# KiCad board kimotor-project.kicad_pcb (continued)
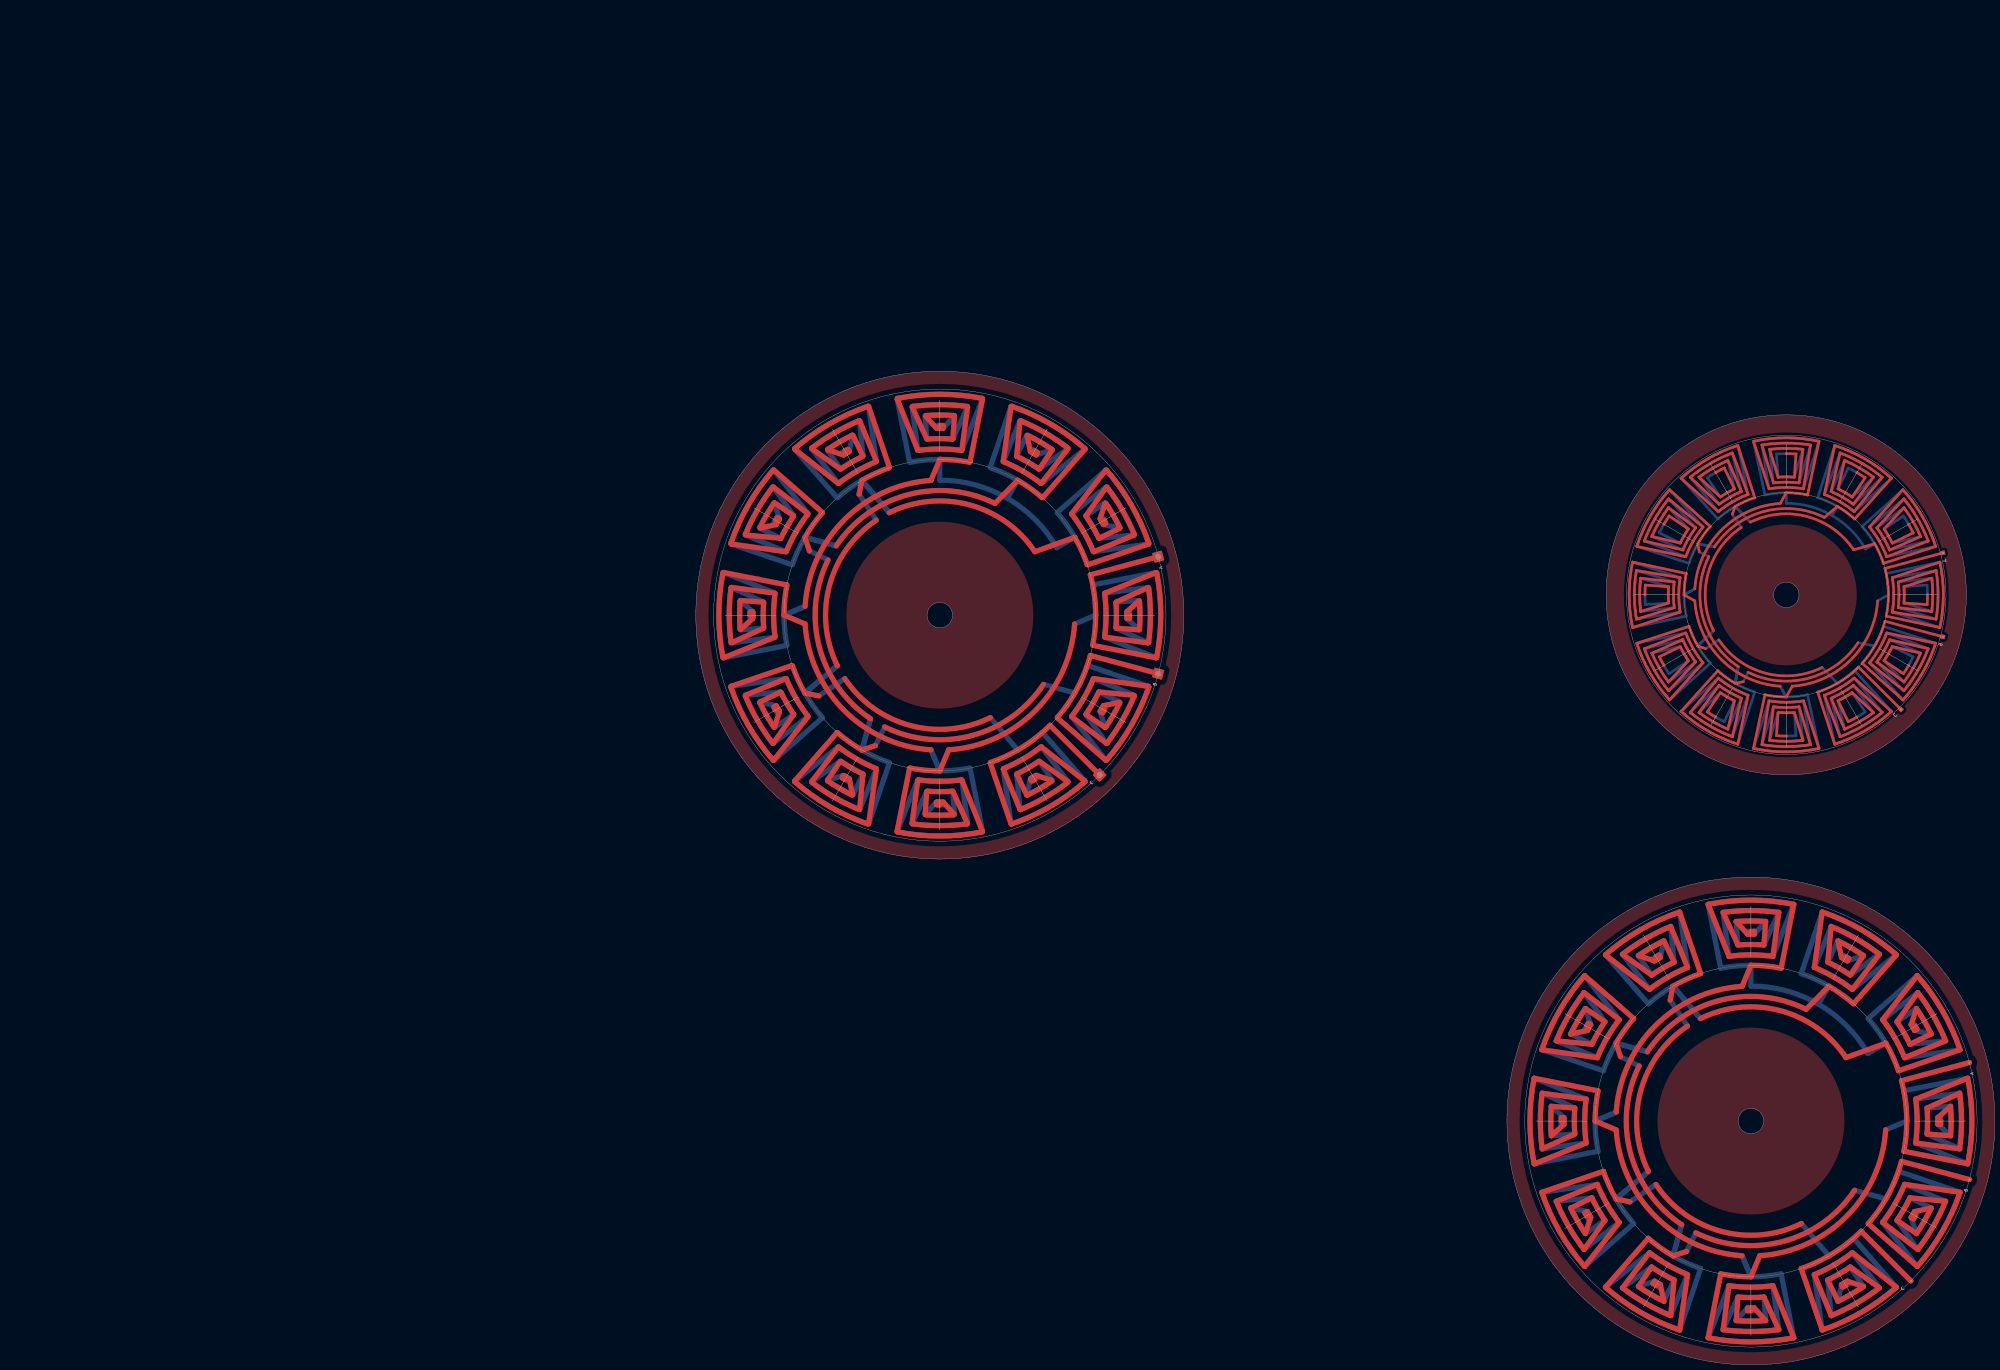
[diagram p0: board, top side]
## Routing (per net, layer and track width the routed paths; a pad name or vN(x,y) marks a point on that pad's centre or on a via; arc(x,y) is an arc through that point) (continued)
-196.61,386.36 ; -192.23,406.9 -196.72,385.87 ; -192.23,406.9 -196.72,385.87 ; -192.23,406.9 -196.72,385.87 ; -192.23,406.9 -196.72,385.87 ; -192.23,406.9 arc(-189.11,406.36) -183.89,406.02 ; -192.23,406.9 arc(-189.11,406.36) -183.89,406.02 ; -192.23,406.9 arc(-189.11,406.36) -183.89,406.02 ; -192.23,406.9 arc(-189.11,406.36) -183.89,406.02 ; -192.23,406.9 arc(-189.11,406.36) -183.89,406.02 ; -192.23,406.9 arc(-189.11,406.36) -183.89,406.02 ; -192.23,406.9 arc(-189.11,406.36) -183.89,406.02 ; -192.23,406.9 arc(-189.11,406.36) -183.89,406.02 ; -192.23,406.9 arc(-189.11,406.36) -183.89,406.02 ; -192.23,406.9 arc(-189.11,406.36) -183.89,406.02 ; -192.23,406.9 arc(-189.11,406.36) -183.89,406.02 ; -192.23,406.9 arc(-189.11,406.36) -183.89,406.02 ; -244.04,433.2 -225.42,439.28 ; -244.04,433.2 -225.42,439.28 ; -244.04,433.2 -225.42,439.28 ; -244.04,433.2 -225.42,439.28 ; -244.04,433.2 -225.42,439.28 ; -244.04,433.2 -225.42,439.28 ; -244.04,433.2 -225.42,439.28 ; -244.04,433.2 -225.42,439.28 ; -244.04,433.2 -225.42,439.28 ; -244.04,433.2 arc(-245.39,446.02) -244.04,458.85 ; -244.04,433.2 arc(-245.39,446.02) -244.04,458.85 ; -244.04,433.2 arc(-245.39,446.02) -244.04,458.85 ; -244.04,433.2 arc(-245.39,446.02) -244.04,458.85 ; -244.04,433.2 arc(-245.39,446.02) -244.04,458.85 ; -244.04,433.2 arc(-245.39,446.02) -244.04,458.85 ; -244.04,433.2 arc(-245.39,446.02) -244.04,458.85 ; -244.04,433.2 arc(-245.39,446.02) -244.04,458.85 ; -244.04,433.2 arc(-245.39,446.02) -244.04,458.85 ; -225.42,439.28 -243.55,433.3 ; -225.42,439.28 -243.55,433.3 ; -225.42,439.28 -243.55,433.3 ; -225.42,439.28 arc(-225.96,446.02) -225.42,452.76 ; -225.42,439.28 arc(-225.96,446.02) -225.42,452.76 ; -225.42,439.28 arc(-225.96,446.02) -225.42,452.76 ; -225.42,439.28 arc(-225.96,446.02) -225.42,452.76 ; -225.42,439.28 arc(-225.96,446.02) -225.42,452.76 ; -225.42,439.28 arc(-225.96,446.02) -225.42,452.76 ; -225.42,439.28 arc(-225.96,446.02) -225.42,452.76 ; -225.42,439.28 arc(-225.96,446.02) -225.42,452.76 ; -225.42,439.28 arc(-225.96,446.02) -225.42,452.76 ; -225.42,439.28 arc(-225.96,446.02) -225.42,452.76 ; -225.42,439.28 arc(-225.96,446.02) -225.42,452.76 ; -225.42,439.28 arc(-225.96,446.02) -225.42,452.76 ; -163.61,404.51 -159.62,396.34 ; -163.61,404.51 -159.62,396.34 ; -163.61,404.51 -159.62,396.34 ; -163.61,404.51 -159.62,396.34 ; -163.61,404.51 -159.62,396.34 ; -163.61,404.51 -159.84,396.78 ; -163.61,404.51 -159.84,396.78 ; -163.61,404.51 -159.84,396.78 ; -163.61,404.51 -159.62,396.34 ; -163.61,404.51 -159.62,396.34 ; -163.61,404.51 -159.62,396.34 ; -163.61,404.51 -159.62,396.34 ; -159.62,396.34 arc(-162.73,394.93) -156.24,398.13 ; -159.62,396.34 arc(-162.73,394.93) -156.24,398.13 ; -159.62,396.34 arc(-162.73,394.93) -156.24,398.13 ; -159.62,396.34 arc(-162.73,394.93) -156.24,398.13 ; -159.62,396.34 arc(-162.73,394.93) -156.24,398.13 ; -159.62,396.34 arc(-162.73,394.93) -156.24,398.13 ; -159.62,396.34 arc(-162.73,394.93) -156.24,398.13 ; -159.62,396.34 arc(-162.73,394.93) -156.24,398.13 ; -159.62,396.34 arc(-162.73,394.93) -156.24,398.13 ; -166.31,405.54 -161.05,393.4 ; -166.31,405.54 -161.05,393.4 ; -166.31,405.54 -161.05,393.4 ; -166.31,405.54 -161.05,393.4 ; -166.31,405.54 -161.25,393.86 ; -166.31,405.54 -161.05,393.4 ; -166.31,405.54 -161.25,393.86 ; -166.31,405.54 -161.05,393.4 ; -166.31,405.54 -161.05,393.4 ; -166.31,405.54 -161.05,393.4 ; -166.31,405.54 -161.25,393.86 ; -166.31,405.54 -161.05,393.4 ; -166.31,405.54 arc(-161.82,407.8) -157.62,410.56 ; -166.31,405.54 arc(-161.82,407.8) -157.62,410.56 ; -166.31,405.54 arc(-161.82,407.8) -157.62,410.56 ; -166.31,405.54 arc(-161.82,407.8) -157.62,410.56 ; -166.31,405.54 arc(-161.82,407.8) -157.62,410.56 ; -166.31,405.54 arc(-161.82,407.8) -157.62,410.56 ; -166.31,405.54 arc(-161.82,407.8) -157.62,410.56 ; -166.31,405.54 arc(-161.82,407.8) -157.62,410.56 ; -166.31,405.54 arc(-161.82,407.8) -157.62,410.56 ; -166.31,405.54 arc(-161.82,407.8) -157.62,410.56 ; -166.31,405.54 arc(-161.82,407.8) -157.62,410.56 ; -166.31,405.54 arc(-161.82,407.8) -157.62,410.56 ; -222.21,471.84 -229.34,476.64 ; -222.21,471.84 -229.75,476.92 ; -222.21,471.84 -229.34,476.64 ; -222.21,471.84 -229.75,476.92 ; -222.21,471.84 -229.75,476.92 ; -222.21,471.84 -229.75,476.92 ; -222.21,471.84 -229.75,476.92 ; -222.21,471.84 -229.75,476.92 ; -222.21,471.84 -229.75,476.92 ; -222.21,471.84 -229.34,476.64 ; -222.21,471.84 -229.75,476.92 ; -222.21,471.84 -229.75,476.92 ; -222.21,471.84 arc(-223.9,469.12) -225.41,466.3 ; -222.21,471.84 arc(-223.9,469.12) -225.41,466.3 ; -222.21,471.84 arc(-223.9,469.12) -225.41,466.3 ; -222.21,471.84 arc(-223.9,469.12) -225.41,466.3 ; -222.21,471.84 arc(-223.9,469.12) -225.41,466.3 ; -222.21,471.84 arc(-223.9,469.12) -225.41,466.3 ; -222.21,471.84 arc(-223.9,469.12) -225.41,466.3 ; -222.21,471.84 arc(-223.9,469.12) -225.41,466.3 ; -222.21,471.84 arc(-223.9,469.12) -225.41,466.3 ; -222.21,471.84 arc(-223.9,469.12) -225.41,466.3 ; -222.21,471.84 arc(-223.9,469.12) -225.41,466.3 ; -222.21,471.84 arc(-223.9,469.12) -225.41,466.3 ; -229.34,476.64 arc(-227.36,479.38) -231.35,473.42 ; -229.34,476.64 arc(-227.36,479.38) -231.35,473.42 ; -229.34,476.64 arc(-227.36,479.38) -231.35,473.42 ; -213.6,472.81 -229.57,487.2 ; -213.6,472.81 -229.57,487.2 ; -213.6,472.81 -229.57,487.2 ; -213.6,472.81 -229.57,487.2 ; -213.6,472.81 -229.57,487.2 ; -213.6,472.81 -229.2,486.87 ; -213.6,472.81 -229.57,487.2 ; -213.6,472.81 -229.2,486.87 ; -213.6,472.81 -229.57,487.2 ; -213.6,472.81 -229.57,487.2 ; -213.6,472.81 -229.2,486.87 ; -213.6,472.81 -229.57,487.2 ; -213.6,472.81 arc(-215.62,470.37) -218.53,466.02 ; -213.6,472.81 arc(-215.62,470.37) -218.53,466.02 ; -213.6,472.81 arc(-215.62,470.37) -218.53,466.02 ; -213.6,472.81 arc(-215.62,470.37) -218.53,466.02 ; -213.6,472.81 arc(-215.62,470.37) -218.53,466.02 ; -213.6,472.81 arc(-215.62,470.37) -218.53,466.02 ; -213.6,472.81 arc(-215.62,470.37) -218.53,466.02 ; -213.6,472.81 arc(-215.62,470.37) -218.53,466.02 ; -213.6,472.81 arc(-215.62,470.37) -218.53,466.02 ; -213.6,472.81 arc(-215.62,470.37) -218.53,466.02 ; -213.6,472.81 arc(-215.62,470.37) -218.53,466.02 ; -213.6,472.81 arc(-215.62,470.37) -218.53,466.02 ; -168.96,406.69 -162.8,390.46 ; -168.96,406.69 -162.8,390.46 ; -168.96,406.69 -162.98,390.92 ; -168.96,406.69 -162.8,390.46 ; -168.96,406.69 -162.8,390.46 ; -168.96,406.69 -162.8,390.46 ; -168.96,406.69 -162.8,390.46 ; -168.96,406.69 -162.98,390.92 ; -168.96,406.69 -162.8,390.46 ; -168.96,406.69 -162.8,390.46 ; -168.96,406.69 -162.98,390.92 ; -168.96,406.69 -162.8,390.46 ; -168.96,406.69 arc(-162.86,409.59) -157.29,413.43 ; -168.96,406.69 arc(-162.86,409.59) -157.29,413.43 ; -168.96,406.69 arc(-162.86,409.59) -157.29,413.43 ; -168.96,406.69 arc(-162.86,409.59) -157.29,413.43 ; -168.96,406.69 arc(-162.86,409.59) -157.29,413.43 ; -168.96,406.69 arc(-162.86,409.59) -157.29,413.43 ; -168.96,406.69 arc(-162.86,409.59) -157.29,413.43 ; -168.96,406.69 arc(-162.86,409.59) -157.29,413.43 ; -168.96,406.69 arc(-162.86,409.59) -157.29,413.43 ; -168.96,406.69 arc(-162.86,409.59) -157.29,413.43 ; -168.96,406.69 arc(-162.86,409.59) -157.29,413.43 ; -168.96,406.69 arc(-162.86,409.59) -157.29,413.43 ; -162.8,390.46 arc(-154.17,394.55) -146.31,399.98 ; -162.8,390.46 arc(-154.17,394.55) -146.31,399.98 ; -162.8,390.46 arc(-154.17,394.55) -146.31,399.98 ; -162.8,390.46 arc(-154.17,394.55) -146.31,399.98 ; -162.8,390.46 arc(-154.17,394.55) -146.31,399.98 ; -162.8,390.46 arc(-154.17,394.55) -146.31,399.98 ; -162.8,390.46 arc(-154.17,394.55) -146.31,399.98 ; -162.8,390.46 arc(-154.17,394.55) -146.31,399.98 ; -162.8,390.46 arc(-154.17,394.55) -146.31,399.98 ; -210.49,413.43 -221.47,399.98 ; -210.49,413.43 -221.47,399.98 ; -210.49,413.43 -221.47,399.98 ; -210.49,413.43 -221.47,399.98 ; -210.49,413.43 -221.15,400.36 ; -210.49,413.43 -221.15,400.36 ; -210.49,413.43 -221.15,400.36 ; -210.49,413.43 -221.47,399.98 ; -210.49,413.43 -221.47,399.98 ; -210.49,413.43 -221.47,399.98 ; -210.49,413.43 -221.47,399.98 ; -210.49,413.43 -221.47,399.98 ; -210.49,413.43 arc(-204.92,409.59) -198.82,406.69 ; -210.49,413.43 arc(-204.92,409.59) -198.82,406.69 ; -210.49,413.43 arc(-204.92,409.59) -198.82,406.69 ; -210.49,413.43 arc(-204.92,409.59) -198.82,406.69 ; -210.49,413.43 arc(-204.92,409.59) -198.82,406.69 ; -210.49,413.43 arc(-204.92,409.59) -198.82,406.69 ; -210.49,413.43 arc(-204.92,409.59) -198.82,406.69 ; -210.49,413.43 arc(-204.92,409.59) -198.82,406.69 ; -210.49,413.43 arc(-204.92,409.59) -198.82,406.69 ; -210.49,413.43 arc(-204.92,409.59) -198.82,406.69 ; -210.49,413.43 arc(-204.92,409.59) -198.82,406.69 ; -210.49,413.43 arc(-204.92,409.59) -198.82,406.69 ; -221.47,399.98 arc(-213.61,394.55) -204.98,390.46 ; -221.47,399.98 arc(-213.61,394.55) -204.98,390.46 ; -221.47,399.98 arc(-213.61,394.55) -204.98,390.46 ; -221.47,399.98 arc(-213.61,394.55) -204.98,390.46 ; -221.47,399.98 arc(-213.61,394.55) -204.98,390.46 ; -221.47,399.98 arc(-213.61,394.55) -204.98,390.46 ; -221.47,399.98 arc(-213.61,394.55) -204.98,390.46 ; -221.47,399.98 arc(-213.61,394.55) -204.98,390.46 ; -221.47,399.98 arc(-213.61,394.55) -204.98,390.46 ; -196.23,484.07 -202.7,504.05 ; -196.23,484.07 -202.86,504.52 ; -196.23,484.07 -202.86,504.52 ; -196.23,484.07 -202.86,504.52 ; -196.23,484.07 -202.86,504.52 ; -196.23,484.07 -202.86,504.52 ; -196.23,484.07 -202.7,504.05 ; -196.23,484.07 -202.86,504.52 ; -196.23,484.07 -202.7,504.05 ; -196.23,484.07 -202.86,504.52 ; -196.23,484.07 -202.86,504.52 ; -196.23,484.07 -202.86,504.52 ; -196.23,484.07 arc(-199.2,482.98) -203.89,480.66 ; -196.23,484.07 arc(-199.2,482.98) -203.89,480.66 ; -196.23,484.07 arc(-199.2,482.98) -203.89,480.66 ; -196.23,484.07 arc(-199.2,482.98) -203.89,480.66 ; -196.23,484.07 arc(-199.2,482.98) -203.89,480.66 ; -196.23,484.07 arc(-199.2,482.98) -203.89,480.66 ; -196.23,484.07 arc(-199.2,482.98) -203.89,480.66 ; -196.23,484.07 arc(-199.2,482.98) -203.89,480.66 ; -196.23,484.07 arc(-199.2,482.98) -203.89,480.66 ; -196.23,484.07 arc(-199.2,482.98) -203.89,480.66 ; -196.23,484.07 arc(-199.2,482.98) -203.89,480.66 ; -196.23,484.07 arc(-199.2,482.98) -203.89,480.66 ; -202.7,504.05 arc(-214.39,498.85) -224.74,491.33 ; -202.7,504.05 arc(-214.39,498.85) -224.74,491.33 ; -202.7,504.05 arc(-214.39,498.85) -224.74,491.33 ; -142.37,439.28 -125.72,436.58 ; -142.37,439.28 -125.23,436.5 ; -142.37,439.28 -125.23,436.5 ; -142.37,439.28 -125.23,436.5 ; -142.37,439.28 -125.23,436.5 ; -142.37,439.28 -125.72,436.58 ; -142.37,439.28 -125.23,436.5 ; -142.37,439.28 -125.23,436.5 ; -142.37,439.28 -125.23,436.5 ; -142.37,439.28 -125.23,436.5 ; -142.37,439.28 -125.72,436.58 ; -142.37,439.28 -125.23,436.5 ; -142.37,439.28 arc(-141.82,446.02) -142.37,452.76 ; -142.37,439.28 arc(-141.82,446.02) -142.37,452.76 ; -142.37,439.28 arc(-141.82,446.02) -142.37,452.76 ; -142.37,439.28 arc(-141.82,446.02) -142.37,452.76 ; -142.37,439.28 arc(-141.82,446.02) -142.37,452.76 ; -142.37,439.28 arc(-141.82,446.02) -142.37,452.76 ; -142.37,439.28 arc(-141.82,446.02) -142.37,452.76 ; -142.37,439.28 arc(-141.82,446.02) -142.37,452.76 ; -142.37,439.28 arc(-141.82,446.02) -142.37,452.76 ; -142.37,439.28 arc(-141.82,446.02) -142.37,452.76 ; -142.37,439.28 arc(-141.82,446.02) -142.37,452.76 ; -142.37,439.28 arc(-141.82,446.02) -142.37,452.76 ; -125.72,436.58 arc(-124.96,446.02) -125.72,455.46 ; -125.72,436.58 arc(-124.96,446.02) -125.72,455.46 ; -125.72,436.58 arc(-124.96,446.02) -125.72,455.46 ; -196.72,506.17 -190.63,487.55 ; -196.72,506.17 -190.63,487.55 ; -196.72,506.17 -190.63,487.55 ; -196.72,506.17 -190.63,487.55 ; -196.72,506.17 -190.63,487.55 ; -196.72,506.17 -190.63,487.55 ; -196.72,506.17 -190.63,487.55 ; -196.72,506.17 -190.63,487.55 ; -196.72,506.17 -190.63,487.55 ; -196.72,506.17 arc(-183.89,507.52) -171.07,506.17 ; -196.72,506.17 arc(-183.89,507.52) -171.07,506.17 ; -196.72,506.17 arc(-183.89,507.52) -171.07,506.17 ; -196.72,506.17 arc(-183.89,507.52) -171.07,506.17 ; -196.72,506.17 arc(-183.89,507.52) -171.07,506.17 ; -196.72,506.17 arc(-183.89,507.52) -171.07,506.17 ; -196.72,506.17 arc(-183.89,507.52) -171.07,506.17 ; -196.72,506.17 arc(-183.89,507.52) -171.07,506.17 ; -196.72,506.17 arc(-183.89,507.52) -171.07,506.17 ; -190.63,487.55 -196.61,505.68 ; -190.63,487.55 -196.61,505.68 ; -190.63,487.55 -196.61,505.68 ; -206.53,393.86 -204.17,404.51 ; -206.53,393.86 -204.17,404.51 ; -206.53,393.86 -204.17,404.51 ; -206.53,393.86 arc(-212.32,396.78) -217.74,400.33 ; -206.53,393.86 arc(-212.32,396.78) -217.74,400.33 ; -206.53,393.86 arc(-212.32,396.78) -217.74,400.33 ; -204.17,404.51 -206.73,393.4 ; -204.17,404.51 -206.73,393.4 ; -204.17,404.51 -206.73,393.4 ; -204.17,404.51 -206.73,393.4 ; -204.17,404.51 -206.73,393.4 ; -204.17,404.51 -206.73,393.4 ; -204.17,404.51 -206.73,393.4 ; -204.17,404.51 -206.73,393.4 ; -204.17,404.51 -206.73,393.4 ; -204.17,404.51 arc(-206.99,406.01) -209.71,407.7 ; -204.17,404.51 arc(-206.99,406.01) -209.71,407.7 ; -204.17,404.51 arc(-206.99,406.01) -209.71,407.7 ; -204.17,404.51 arc(-206.99,406.01) -209.71,407.7 ; -204.17,404.51 arc(-206.99,406.01) -209.71,407.7 ; -204.17,404.51 arc(-206.99,406.01) -209.71,407.7 ; -204.17,404.51 arc(-206.99,406.01) -209.71,407.7 ; -204.17,404.51 arc(-206.99,406.01) -209.71,407.7 ; -204.17,404.51 arc(-206.99,406.01) -209.71,407.7 ; -204.17,404.51 arc(-206.99,406.01) -209.71,407.7 ; -204.17,404.51 arc(-206.99,406.01) -209.71,407.7 ; -204.17,404.51 arc(-206.99,406.01) -209.71,407.7 ; -221.47,492.07 -210.16,481.49 ; -221.47,492.07 -210.16,481.49 ; -221.47,492.07 -210.16,481.49 ; -221.47,492.07 -210.16,481.49 ; -221.47,492.07 -210.16,481.49 ; -221.47,492.07 -210.16,481.49 ; -221.47,492.07 -210.16,481.49 ; -221.47,492.07 -210.16,481.49 ; -221.47,492.07 -210.16,481.49 ; -221.47,492.07 arc(-213.61,497.49) -204.98,501.59 ; -221.47,492.07 arc(-213.61,497.49) -204.98,501.59 ; -221.47,492.07 arc(-213.61,497.49) -204.98,501.59 ; -221.47,492.07 arc(-213.61,497.49) -204.98,501.59 ; -221.47,492.07 arc(-213.61,497.49) -204.98,501.59 ; -221.47,492.07 arc(-213.61,497.49) -204.98,501.59 ; -221.47,492.07 arc(-213.61,497.49) -204.98,501.59 ; -221.47,492.07 arc(-213.61,497.49) -204.98,501.59 ; -221.47,492.07 arc(-213.61,497.49) -204.98,501.59 ; -210.16,481.49 -221.15,491.68 ; -210.16,481.49 -221.15,491.68 ; -210.16,481.49 -221.15,491.68 ; -154.18,419.24 -138.21,404.84 ; -154.18,419.24 -138.21,404.84 ; -154.18,419.24 -138.58,405.18 ; -154.18,419.24 -138.21,404.84 ; -154.18,419.24 -138.21,404.84 ; -154.18,419.24 -138.21,404.84 ; -154.18,419.24 -138.58,405.18 ; -154.18,419.24 -138.21,404.84 ; -154.18,419.24 -138.21,404.84 ; -154.18,419.24 -138.58,405.18 ; -154.18,419.24 -138.21,404.84 ; -154.18,419.24 -138.21,404.84 ; -154.18,419.24 arc(-152.16,421.67) -149.25,426.02 ; -154.18,419.24 arc(-152.16,421.67) -149.25,426.02 ; -154.18,419.24 arc(-152.16,421.67) -149.25,426.02 ; -154.18,419.24 arc(-152.16,421.67) -149.25,426.02 ; -154.18,419.24 arc(-152.16,421.67) -149.25,426.02 ; -154.18,419.24 arc(-152.16,421.67) -149.25,426.02 ; -154.18,419.24 arc(-152.16,421.67) -149.25,426.02 ; -154.18,419.24 arc(-152.16,421.67) -149.25,426.02 ; -154.18,419.24 arc(-152.16,421.67) -149.25,426.02 ; -154.18,419.24 arc(-152.16,421.67) -149.25,426.02 ; -154.18,419.24 arc(-152.16,421.67) -149.25,426.02 ; -154.18,419.24 arc(-152.16,421.67) -149.25,426.02 ; -138.21,404.84 arc(-130.63,415.27) -125.39,427.05 ; -138.21,404.84 arc(-130.63,415.27) -125.39,427.05 ; -138.21,404.84 arc(-130.63,415.27) -125.39,427.05 ; -138.21,404.84 arc(-130.63,415.27) -125.39,427.05 ; -138.21,404.84 arc(-130.63,415.27) -125.39,427.05 ; -138.21,404.84 arc(-130.63,415.27) -125.39,427.05 ; -138.21,404.84 arc(-130.63,415.27) -125.39,427.05 ; -138.21,404.84 arc(-130.63,415.27) -125.39,427.05 ; -138.21,404.84 arc(-130.63,415.27) -125.39,427.05 ; -175.55,485.14 -171.17,505.68 ; -175.55,485.14 -171.07,506.17 ; -175.55,485.14 -171.07,506.17 ; -175.55,485.14 -171.07,506.17 ; -175.55,485.14 -171.07,506.17 ; -175.55,485.14 -171.07,506.17 ; -175.55,485.14 -171.17,505.68 ; -175.55,485.14 -171.07,506.17 ; -175.55,485.14 -171.17,505.68 ; -175.55,485.14 -171.07,506.17 ; -175.55,485.14 -171.07,506.17 ; -175.55,485.14 -171.07,506.17 ; -175.55,485.14 arc(-178.67,485.68) -183.89,486.02 ; -175.55,485.14 arc(-178.67,485.68) -183.89,486.02 ; -175.55,485.14 arc(-178.67,485.68) -183.89,486.02 ; -175.55,485.14 arc(-178.67,485.68) -183.89,486.02 ; -175.55,485.14 arc(-178.67,485.68) -183.89,486.02 ; -175.55,485.14 arc(-178.67,485.68) -183.89,486.02 ; -175.55,485.14 arc(-178.67,485.68) -183.89,486.02 ; -175.55,485.14 arc(-178.67,485.68) -183.89,486.02 ; -175.55,485.14 arc(-178.67,485.68) -183.89,486.02 ; -175.55,485.14 arc(-178.67,485.68) -183.89,486.02 ; -175.55,485.14 arc(-178.67,485.68) -183.89,486.02 ; -175.55,485.14 arc(-178.67,485.68) -183.89,486.02 ; -171.17,505.68 arc(-183.89,507.02) -196.61,505.68 ; -171.17,505.68 arc(-183.89,507.02) -196.61,505.68 ; -171.17,505.68 arc(-183.89,507.02) -196.61,505.68 ; -204.98,390.46 -201.47,405.54 ; -204.98,390.46 -201.47,405.54 ; -204.98,390.46 -201.47,405.54 ; -204.98,390.46 -201.47,405.54 ; -204.98,390.46 -201.47,405.54 ; -204.98,390.46 -201.47,405.54 ; -204.98,390.46 -201.47,405.54 ; -204.98,390.46 -201.47,405.54 ; -204.98,390.46 -201.47,405.54 ; -201.47,405.54 -204.8,390.92 ; -201.47,405.54 -204.8,390.92 ; -201.47,405.54 -204.8,390.92 ; -201.47,405.54 arc(-205.96,407.8) -210.16,410.56 ; -201.47,405.54 arc(-205.96,407.8) -210.16,410.56 ; -201.47,405.54 arc(-205.96,407.8) -210.16,410.56 ; -201.47,405.54 arc(-205.96,407.8) -210.16,410.56 ; -201.47,405.54 arc(-205.96,407.8) -210.16,410.56 ; -201.47,405.54 arc(-205.96,407.8) -210.16,410.56 ; -201.47,405.54 arc(-205.96,407.8) -210.16,410.56 ; -201.47,405.54 arc(-205.96,407.8) -210.16,410.56 ; -201.47,405.54 arc(-205.96,407.8) -210.16,410.56 ; -201.47,405.54 arc(-205.96,407.8) -210.16,410.56 ; -201.47,405.54 arc(-205.96,407.8) -210.16,410.56 ; -201.47,405.54 arc(-205.96,407.8) -210.16,410.56 ; -236.05,468.67 -225.41,466.3 ; -236.05,468.67 -225.41,466.3 ; -236.05,468.67 -225.41,466.3 ; -236.05,468.67 arc(-233.14,474.45) -229.58,479.87 ; -236.05,468.67 arc(-233.14,474.45) -229.58,479.87 ; -236.05,468.67 arc(-233.14,474.45) -229.58,479.87 ; -225.41,466.3 -236.51,468.87 ; -225.41,466.3 -236.51,468.87 ; -225.41,466.3 -236.51,468.87 ; -225.41,466.3 -236.51,468.87 ; -225.41,466.3 -236.51,468.87 ; -225.41,466.3 -236.51,468.87 ; -225.41,466.3 -236.51,468.87 ; -225.41,466.3 -236.51,468.87 ; -225.41,466.3 -236.51,468.87 ; -157.11,475.73 -142.71,491.7 ; -157.11,475.73 -142.71,491.7 ; -157.11,475.73 -142.71,491.7 ; -157.11,475.73 -142.71,491.7 ; -157.11,475.73 -142.71,491.7 ; -157.11,475.73 -143.04,491.33 ; -157.11,475.73 -142.71,491.7 ; -157.11,475.73 -142.71,491.7 ; -157.11,475.73 -143.04,491.33 ; -157.11,475.73 -142.71,491.7 ; -157.11,475.73 -143.04,491.33 ; -157.11,475.73 -142.71,491.7 ; -157.11,475.73 arc(-159.54,477.76) -163.89,480.66 ; -157.11,475.73 arc(-159.54,477.76) -163.89,480.66 ; -157.11,475.73 arc(-159.54,477.76) -163.89,480.66 ; -157.11,475.73 arc(-159.54,477.76) -163.89,480.66 ; -157.11,475.73 arc(-159.54,477.76) -163.89,480.66 ; -157.11,475.73 arc(-159.54,477.76) -163.89,480.66 ; -157.11,475.73 arc(-159.54,477.76) -163.89,480.66 ; -157.11,475.73 arc(-159.54,477.76) -163.89,480.66 ; -157.11,475.73 arc(-159.54,477.76) -163.89,480.66 ; -157.11,475.73 arc(-159.54,477.76) -163.89,480.66 ; -157.11,475.73 arc(-159.54,477.76) -163.89,480.66 ; -157.11,475.73 arc(-159.54,477.76) -163.89,480.66 ; -142.71,491.7 arc(-153.14,499.28) -164.92,504.52 ; -142.71,491.7 arc(-153.14,499.28) -164.92,504.52 ; -142.71,491.7 arc(-153.14,499.28) -164.92,504.52 ; -142.71,491.7 arc(-153.14,499.28) -164.92,504.52 ; -142.71,491.7 arc(-153.14,499.28) -164.92,504.52 ; -142.71,491.7 arc(-153.14,499.28) -164.92,504.52 ; -142.71,491.7 arc(-153.14,499.28) -164.92,504.52 ; -142.71,491.7 arc(-153.14,499.28) -164.92,504.52 ; -142.71,491.7 arc(-153.14,499.28) -164.92,504.52 ; -128.79,425.11 -143.41,428.45 ; -128.79,425.11 -143.41,428.45 ; -128.79,425.11 -143.41,428.45 ; -128.79,425.11 arc(-132.85,416.56) -138.23,408.76 ; -128.79,425.11 arc(-132.85,416.56) -138.23,408.76 ; -128.79,425.11 arc(-132.85,416.56) -138.23,408.76 ; -143.41,428.45 -128.33,424.94 ; -143.41,428.45 -128.33,424.94 ; -143.41,428.45 -128.33,424.94 ; -143.41,428.45 -128.33,424.94 ; -143.41,428.45 -128.33,424.94 ; -143.41,428.45 -128.33,424.94 ; -143.41,428.45 -128.33,424.94 ; -143.41,428.45 -128.33,424.94 ; -143.41,428.45 -128.33,424.94 ; -143.41,428.45 arc(-145.67,423.95) -148.43,419.75 ; -143.41,428.45 arc(-145.67,423.95) -148.43,419.75 ; -143.41,428.45 arc(-145.67,423.95) -148.43,419.75 ; -143.41,428.45 arc(-145.67,423.95) -148.43,419.75 ; -143.41,428.45 arc(-145.67,423.95) -148.43,419.75 ; -143.41,428.45 arc(-145.67,423.95) -148.43,419.75 ; -143.41,428.45 arc(-145.67,423.95) -148.43,419.75 ; -143.41,428.45 arc(-145.67,423.95) -148.43,419.75 ; -143.41,428.45 arc(-145.67,423.95) -148.43,419.75 ; -143.41,428.45 arc(-145.67,423.95) -148.43,419.75 ; -143.41,428.45 arc(-145.67,423.95) -148.43,419.75 ; -143.41,428.45 arc(-145.67,423.95) -148.43,419.75 ; -209.71,407.7 -214.79,400.16 ; -209.71,407.7 -214.79,400.16 ; -209.71,407.7 -214.51,400.58 ; -209.71,407.7 -214.79,400.16 ; -209.71,407.7 -214.79,400.16 ; -209.71,407.7 -214.79,400.16 ; -209.71,407.7 -214.51,400.58 ; -209.71,407.7 -214.79,400.16 ; -209.71,407.7 -214.79,400.16 ; -209.71,407.7 -214.79,400.16 ; -209.71,407.7 -214.51,400.58 ; -209.71,407.7 -214.79,400.16 ; -214.79,400.16 arc(-217.55,402.15) -211.54,398.13 ; -214.79,400.16 arc(-217.55,402.15) -211.54,398.13 ; -214.79,400.16 arc(-217.55,402.15) -211.54,398.13 ; -214.79,400.16 arc(-217.55,402.15) -211.54,398.13 ; -214.79,400.16 arc(-217.55,402.15) -211.54,398.13 ; -214.79,400.16 arc(-217.55,402.15) -211.54,398.13 ; -214.79,400.16 arc(-217.55,402.15) -211.54,398.13 ; -214.79,400.16 arc(-217.55,402.15) -211.54,398.13 ; -214.79,400.16 arc(-217.55,402.15) -211.54,398.13 ; -157.62,481.49 -149.74,492.11 ; -157.62,481.49 -150.04,491.71 ; -157.62,481.49 -149.74,492.11 ; -157.62,481.49 -149.74,492.11 ; -157.62,481.49 -149.74,492.11 ; -157.62,481.49 -149.74,492.11 ; -157.62,481.49 -149.74,492.11 ; -157.62,481.49 -149.74,492.11 ; -157.62,481.49 -149.74,492.11 ; -157.62,481.49 -150.04,491.71 ; -157.62,481.49 -150.04,491.71 ; -157.62,481.49 -149.74,492.11 ; -157.62,481.49 arc(-161.82,484.24) -166.31,486.51 ; -157.62,481.49 arc(-161.82,484.24) -166.31,486.51 ; -157.62,481.49 arc(-161.82,484.24) -166.31,486.51 ; -157.62,481.49 arc(-161.82,484.24) -166.31,486.51 ; -157.62,481.49 arc(-161.82,484.24) -166.31,486.51 ; -157.62,481.49 arc(-161.82,484.24) -166.31,486.51 ; -157.62,481.49 arc(-161.82,484.24) -166.31,486.51 ; -157.62,481.49 arc(-161.82,484.24) -166.31,486.51 ; -157.62,481.49 arc(-161.82,484.24) -166.31,486.51 ; -157.62,481.49 arc(-161.82,484.24) -166.31,486.51 ; -157.62,481.49 arc(-161.82,484.24) -166.31,486.51 ; -157.62,481.49 arc(-161.82,484.24) -166.31,486.51 ; -149.74,492.11 arc(-155.21,495.7) -161.05,498.64 ; -149.74,492.11 arc(-155.21,495.7) -161.05,498.64 ; -149.74,492.11 arc(-155.21,495.7) -161.05,498.64 ; -149.74,492.11 arc(-155.21,495.7) -161.05,498.64 ; -149.74,492.11 arc(-155.21,495.7) -161.05,498.64 ; -149.74,492.11 arc(-155.21,495.7) -161.05,498.64 ; -149.74,492.11 arc(-155.21,495.7) -161.05,498.64 ; -149.74,492.11 arc(-155.21,495.7) -161.05,498.64 ; -149.74,492.11 arc(-155.21,495.7) -161.05,498.64 ; -174.37,387.36 -178.87,402.17 ; -174.37,387.36 -178.87,402.17 ; -174.37,387.36 -178.87,402.17 ; -174.37,387.36 -178.87,402.17 ; -174.37,387.36 -178.87,402.17 ; -174.37,387.36 -178.87,402.17 ; -174.37,387.36 -178.87,402.17 ; -174.37,387.36 -178.87,402.17 ; -174.37,387.36 -178.87,402.17 ; -174.37,387.36 arc(-183.89,386.59) -193.41,387.36 ; -174.37,387.36 arc(-183.89,386.59) -193.41,387.36 ; -174.37,387.36 arc(-183.89,386.59) -193.41,387.36 ; -174.37,387.36 arc(-183.89,386.59) -193.41,387.36 ; -174.37,387.36 arc(-183.89,386.59) -193.41,387.36 ; -174.37,387.36 arc(-183.89,386.59) -193.41,387.36 ; -174.37,387.36 arc(-183.89,386.59) -193.41,387.36 ; -174.37,387.36 arc(-183.89,386.59) -193.41,387.36 ; -174.37,387.36 arc(-183.89,386.59) -193.41,387.36 ; -178.87,402.17 -174.45,387.85 ; -178.87,402.17 -174.45,387.85 ; -178.87,402.17 -174.45,387.85 ; -145.57,420.21 -138.03,415.13 ; -145.57,420.21 -138.45,415.41 ; -145.57,420.21 -138.03,415.13 ; -145.57,420.21 -138.03,415.13 ; -145.57,420.21 -138.03,415.13 ; -145.57,420.21 -138.03,415.13 ; -145.57,420.21 -138.03,415.13 ; -145.57,420.21 -138.03,415.13 ; -145.57,420.21 -138.03,415.13 ; -145.57,420.21 -138.45,415.41 ; -145.57,420.21 -138.45,415.41 ; -145.57,420.21 -138.03,415.13 ; -145.57,420.21 arc(-143.88,422.92) -142.37,425.74 ; -145.57,420.21 arc(-143.88,422.92) -142.37,425.74 ; -145.57,420.21 arc(-143.88,422.92) -142.37,425.74 ; -145.57,420.21 arc(-143.88,422.92) -142.37,425.74 ; -145.57,420.21 arc(-143.88,422.92) -142.37,425.74 ; -145.57,420.21 arc(-143.88,422.92) -142.37,425.74 ; -145.57,420.21 arc(-143.88,422.92) -142.37,425.74 ; -145.57,420.21 arc(-143.88,422.92) -142.37,425.74 ; -145.57,420.21 arc(-143.88,422.92) -142.37,425.74 ; -145.57,420.21 arc(-143.88,422.92) -142.37,425.74 ; -145.57,420.21 arc(-143.88,422.92) -142.37,425.74 ; -145.57,420.21 arc(-143.88,422.92) -142.37,425.74 ; -138.03,415.13 arc(-140.02,412.36) -136,418.37 ; -138.03,415.13 arc(-140.02,412.36) -136,418.37 ; -138.03,415.13 arc(-140.02,412.36) -136,418.37 ; -138.03,415.13 arc(-140.02,412.36) -136,418.37 ; -138.03,415.13 arc(-140.02,412.36) -136,418.37 ; -138.03,415.13 arc(-140.02,412.36) -136,418.37 ; -138.03,415.13 arc(-140.02,412.36) -136,418.37 ; -138.03,415.13 arc(-140.02,412.36) -136,418.37 ; -138.03,415.13 arc(-140.02,412.36) -136,418.37 ; -123.74,433.2 arc(-122.39,446.02) -123.74,458.85 ; -123.74,433.2 arc(-122.39,446.02) -123.74,458.85 ; -123.74,433.2 arc(-122.39,446.02) -123.74,458.85 ; -123.74,433.2 arc(-122.39,446.02) -123.74,458.85 ; -123.74,433.2 arc(-122.39,446.02) -123.74,458.85 ; -123.74,433.2 arc(-122.39,446.02) -123.74,458.85 ; -123.74,433.2 arc(-122.39,446.02) -123.74,458.85 ; -123.74,433.2 arc(-122.39,446.02) -123.74,458.85 ; -123.74,433.2 arc(-122.39,446.02) -123.74,458.85 ; -137.8,442.82 -128.73,442.2 ; -137.8,442.82 -128.73,442.2 ; -137.8,442.82 -128.73,442.2 ; -137.8,442.82 -129.23,442.23 ; -137.8,442.82 -128.73,442.2 ; -137.8,442.82 -129.23,442.23 ; -137.8,442.82 -128.73,442.2 ; -137.8,442.82 -128.73,442.2 ; -137.8,442.82 -128.73,442.2 ; -137.8,442.82 -128.73,442.2 ; -137.8,442.82 -129.23,442.23 ; -137.8,442.82 -128.73,442.2 ; -137.8,442.82 arc(-137.69,446.02) -137.8,449.22 ; -137.8,442.82 arc(-137.69,446.02) -137.8,449.22 ; -137.8,442.82 arc(-137.69,446.02) -137.8,449.22 ; -137.8,442.82 arc(-137.69,446.02) -137.8,449.22 ; -137.8,442.82 arc(-137.69,446.02) -137.8,449.22 ; -137.8,442.82 arc(-137.69,446.02) -137.8,449.22 ; -137.8,442.82 arc(-137.69,446.02) -137.8,449.22 ; -137.8,442.82 arc(-137.69,446.02) -137.8,449.22 ; -137.8,442.82 arc(-137.69,446.02) -137.8,449.22 ; -137.8,442.82 arc(-137.69,446.02) -137.8,449.22 ; -137.8,442.82 arc(-137.69,446.02) -137.8,449.22 ; -137.8,442.82 arc(-137.69,446.02) -137.8,449.22 ; -128.73,442.2 arc(-129.07,438.8) -128.59,446.02 ; -128.73,442.2 arc(-129.07,438.8) -128.59,446.02 ; -128.73,442.2 arc(-129.07,438.8) -128.59,446.02 ; -128.73,442.2 arc(-129.07,438.8) -128.59,446.02 ; -128.73,442.2 arc(-129.07,438.8) -128.59,446.02 ; -128.73,442.2 arc(-129.07,438.8) -128.59,446.02 ; -128.73,442.2 arc(-129.07,438.8) -128.59,446.02 ; -128.73,442.2 arc(-129.07,438.8) -128.59,446.02 ; -128.73,442.2 arc(-129.07,438.8) -128.59,446.02 ; -198.82,485.35 -204.98,501.59 ; -198.82,485.35 -204.8,501.12 ; -198.82,485.35 -204.8,501.12 ; -198.82,485.35 -204.98,501.59 ; -198.82,485.35 -204.98,501.59 ; -198.82,485.35 -204.98,501.59 ; -198.82,485.35 -204.8,501.12 ; -198.82,485.35 -204.98,501.59 ; -198.82,485.35 -204.98,501.59 ; -198.82,485.35 -204.98,501.59 ; -198.82,485.35 -204.98,501.59 ; -198.82,485.35 -204.98,501.59 ; -198.82,485.35 arc(-204.92,482.45) -210.49,478.61 ; -198.82,485.35 arc(-204.92,482.45) -210.49,478.61 ; -198.82,485.35 arc(-204.92,482.45) -210.49,478.61 ; -198.82,485.35 arc(-204.92,482.45) -210.49,478.61 ; -198.82,485.35 arc(-204.92,482.45) -210.49,478.61 ; -198.82,485.35 arc(-204.92,482.45) -210.49,478.61 ; -198.82,485.35 arc(-204.92,482.45) -210.49,478.61 ; -198.82,485.35 arc(-204.92,482.45) -210.49,478.61 ; -198.82,485.35 arc(-204.92,482.45) -210.49,478.61 ; -198.82,485.35 arc(-204.92,482.45) -210.49,478.61 ; -198.82,485.35 arc(-204.92,482.45) -210.49,478.61 ; -198.82,485.35 arc(-204.92,482.45) -210.49,478.61 ; -171.07,385.87 arc(-183.89,384.52) -196.72,385.87 ; -171.07,385.87 arc(-183.89,384.52) -196.72,385.87 ; -171.07,385.87 arc(-183.89,384.52) -196.72,385.87 ; -171.07,385.87 arc(-183.89,384.52) -196.72,385.87 ; -171.07,385.87 arc(-183.89,384.52) -196.72,385.87 ; -171.07,385.87 arc(-183.89,384.52) -196.72,385.87 ; -171.07,385.87 arc(-183.89,384.52) -196.72,385.87 ; -171.07,385.87 arc(-183.89,384.52) -196.72,385.87 ; -171.07,385.87 arc(-183.89,384.52) -196.72,385.87 ; -221.15,491.68 arc(-213.36,497.06) -204.8,501.12 ; -221.15,491.68 arc(-213.36,497.06) -204.8,501.12 ; -221.15,491.68 arc(-213.36,497.06) -204.8,501.12 ; -137.8,480.17 -145.57,471.84 ; -137.8,480.17 -145.57,471.84 ; -137.8,480.17 -145.57,471.84 ; -137.8,480.17 -145.57,471.84 ; -137.8,480.17 -145.57,471.84 ; -137.8,480.17 -145.57,471.84 ; -137.8,480.17 -145.57,471.84 ; -137.8,480.17 -145.57,471.84 ; -137.8,480.17 -145.57,471.84 ; -137.8,480.17 arc(-134.21,474.7) -131.27,468.87 ; -137.8,480.17 arc(-134.21,474.7) -131.27,468.87 ; -137.8,480.17 arc(-134.21,474.7) -131.27,468.87 ; -137.8,480.17 arc(-134.21,474.7) -131.27,468.87 ; -137.8,480.17 arc(-134.21,474.7) -131.27,468.87 ; -137.8,480.17 arc(-134.21,474.7) -131.27,468.87 ; -137.8,480.17 arc(-134.21,474.7) -131.27,468.87 ; -137.8,480.17 arc(-134.21,474.7) -131.27,468.87 ; -137.8,480.17 arc(-134.21,474.7) -131.27,468.87 ; -145.57,471.84 -138.2,479.87 ; -145.57,471.84 -138.2,479.87 ; -145.57,471.84 -138.2,479.87 ; -145.57,471.84 arc(-143.88,469.12) -142.37,466.3 ; -145.57,471.84 arc(-143.88,469.12) -142.37,466.3 ; -145.57,471.84 arc(-143.88,469.12) -142.37,466.3 ; -145.57,471.84 arc(-143.88,469.12) -142.37,466.3 ; -145.57,471.84 arc(-143.88,469.12) -142.37,466.3 ; -145.57,471.84 arc(-143.88,469.12) -142.37,466.3 ; -145.57,471.84 arc(-143.88,469.12) -142.37,466.3 ; -145.57,471.84 arc(-143.88,469.12) -142.37,466.3 ; -145.57,471.84 arc(-143.88,469.12) -142.37,466.3 ; -145.57,471.84 arc(-143.88,469.12) -142.37,466.3 ; -145.57,471.84 arc(-143.88,469.12) -142.37,466.3 ; -145.57,471.84 arc(-143.88,469.12) -142.37,466.3 ; -180.69,492.11 -180.06,501.19 ; -180.69,492.11 -180.1,500.69 ; -180.69,492.11 -180.06,501.19 ; -180.69,492.11 -180.06,501.19 ; -180.69,492.11 -180.1,500.69 ; -180.69,492.11 -180.06,501.19 ; -180.69,492.11 -180.06,501.19 ; -180.69,492.11 -180.06,501.19 ; -180.69,492.11 -180.06,501.19 ; -180.69,492.11 -180.06,501.19 ; -180.69,492.11 -180.1,500.69 ; -180.69,492.11 -180.06,501.19 ; -180.69,492.11 arc(-183.89,492.23) -187.09,492.11 ; -180.69,492.11 arc(-183.89,492.23) -187.09,492.11 ; -180.69,492.11 arc(-183.89,492.23) -187.09,492.11 ; -180.69,492.11 arc(-183.89,492.23) -187.09,492.11 ; -180.69,492.11 arc(-183.89,492.23) -187.09,492.11 ; -180.69,492.11 arc(-183.89,492.23) -187.09,492.11 ; -180.69,492.11 arc(-183.89,492.23) -187.09,492.11 ; -180.69,492.11 arc(-183.89,492.23) -187.09,492.11 ; -180.69,492.11 arc(-183.89,492.23) -187.09,492.11 ; -180.69,492.11 arc(-183.89,492.23) -187.09,492.11 ; -180.69,492.11 arc(-183.89,492.23) -187.09,492.11 ; -180.69,492.11 arc(-183.89,492.23) -187.09,492.11 ; -180.06,501.19 arc(-176.67,500.84) -183.89,501.32 ; -180.06,501.19 arc(-176.67,500.84) -183.89,501.32 ; -180.06,501.19 arc(-176.67,500.84) -183.89,501.32 ; -180.06,501.19 arc(-176.67,500.84) -183.89,501.32 ; -180.06,501.19 arc(-176.67,500.84) -183.89,501.32 ; -180.06,501.19 arc(-176.67,500.84) -183.89,501.32 ; -180.06,501.19 arc(-176.67,500.84) -183.89,501.32 ; -180.06,501.19 arc(-176.67,500.84) -183.89,501.32 ; -180.06,501.19 arc(-176.67,500.84) -183.89,501.32 ; -157.29,478.61 -146.31,492.07 ; -157.29,478.61 -146.31,492.07 ; -157.29,478.61 -146.63,491.68 ; -157.29,478.61 -146.63,491.68 ; -157.29,478.61 -146.63,491.68 ; -157.29,478.61 -146.31,492.07 ; -157.29,478.61 -146.31,492.07 ; -157.29,478.61 -146.31,492.07 ; -157.29,478.61 -146.31,492.07 ; -157.29,478.61 -146.31,492.07 ; -157.29,478.61 -146.31,492.07 ; -157.29,478.61 -146.31,492.07 ; -157.29,478.61 arc(-162.86,482.45) -168.96,485.35 ; -157.29,478.61 arc(-162.86,482.45) -168.96,485.35 ; -157.29,478.61 arc(-162.86,482.45) -168.96,485.35 ; -157.29,478.61 arc(-162.86,482.45) -168.96,485.35 ; -157.29,478.61 arc(-162.86,482.45) -168.96,485.35 ; -157.29,478.61 arc(-162.86,482.45) -168.96,485.35 ; -157.29,478.61 arc(-162.86,482.45) -168.96,485.35 ; -157.29,478.61 arc(-162.86,482.45) -168.96,485.35 ; -157.29,478.61 arc(-162.86,482.45) -168.96,485.35 ; -157.29,478.61 arc(-162.86,482.45) -168.96,485.35 ; -157.29,478.61 arc(-162.86,482.45) -168.96,485.35 ; -157.29,478.61 arc(-162.86,482.45) -168.96,485.35 ; -146.31,492.07 arc(-154.17,497.49) -162.8,501.59 ; -146.31,492.07 arc(-154.17,497.49) -162.8,501.59 ; -146.31,492.07 arc(-154.17,497.49) -162.8,501.59 ; -146.31,492.07 arc(-154.17,497.49) -162.8,501.59 ; -146.31,492.07 arc(-154.17,497.49) -162.8,501.59 ; -146.31,492.07 arc(-154.17,497.49) -162.8,501.59 ; -146.31,492.07 arc(-154.17,497.49) -162.8,501.59 ; -146.31,492.07 arc(-154.17,497.49) -162.8,501.59 ; -146.31,492.07 arc(-154.17,497.49) -162.8,501.59 ; -227.74,451.04 -240.88,452.55 ; -227.74,451.04 -240.88,452.55 ; -227.74,451.04 -240.39,452.49 ; -227.74,451.04 -240.39,452.49 ; -227.74,451.04 -240.88,452.55 ; -227.74,451.04 -240.88,452.55 ; -227.74,451.04 -240.88,452.55 ; -227.74,451.04 -240.88,452.55 ; -227.74,451.04 -240.88,452.55 ; -227.74,451.04 -240.39,452.49 ; -227.74,451.04 -240.88,452.55 ; -227.74,451.04 -240.88,452.55 ; -240.88,452.55 arc(-241.25,446.02) -240.88,439.49 ; -240.88,452.55 arc(-241.25,446.02) -240.88,439.49 ; -240.88,452.55 arc(-241.25,446.02) -240.88,439.49 ; -240.88,452.55 arc(-241.25,446.02) -240.88,439.49 ; -240.88,452.55 arc(-241.25,446.02) -240.88,439.49 ; -240.88,452.55 arc(-241.25,446.02) -240.88,439.49 ; -240.88,452.55 arc(-241.25,446.02) -240.88,439.49 ; -240.88,452.55 arc(-241.25,446.02) -240.88,439.49 ; -240.88,452.55 arc(-241.25,446.02) -240.88,439.49 ; -229.57,404.84 -216.48,419.42 ; -229.57,404.84 -216.48,419.42 ; -229.57,404.84 -216.48,419.42 ; -229.57,404.84 -216.48,419.42 ; -229.57,404.84 -216.48,419.42 ; -229.57,404.84 -216.48,419.42 ; -229.57,404.84 -216.48,419.42 ; -229.57,404.84 -216.48,419.42 ; -229.57,404.84 -216.48,419.42 ; -229.57,404.84 arc(-237.15,415.27) -242.39,427.05 ; -229.57,404.84 arc(-237.15,415.27) -242.39,427.05 ; -229.57,404.84 arc(-237.15,415.27) -242.39,427.05 ; -229.57,404.84 arc(-237.15,415.27) -242.39,427.05 ; -229.57,404.84 arc(-237.15,415.27) -242.39,427.05 ; -229.57,404.84 arc(-237.15,415.27) -242.39,427.05 ; -229.57,404.84 arc(-237.15,415.27) -242.39,427.05 ; -229.57,404.84 arc(-237.15,415.27) -242.39,427.05 ; -229.57,404.84 arc(-237.15,415.27) -242.39,427.05 ; -216.48,419.42 -229.2,405.18 ; -216.48,419.42 -229.2,405.18 ; -216.48,419.42 -229.2,405.18 ; -216.48,419.42 arc(-220.32,424.99) -223.22,431.1 ; -216.48,419.42 arc(-220.32,424.99) -223.22,431.1 ; -216.48,419.42 arc(-220.32,424.99) -223.22,431.1 ; -216.48,419.42 arc(-220.32,424.99) -223.22,431.1 ; -216.48,419.42 arc(-220.32,424.99) -223.22,431.1 ; -216.48,419.42 arc(-220.32,424.99) -223.22,431.1 ; -216.48,419.42 arc(-220.32,424.99) -223.22,431.1 ; -216.48,419.42 arc(-220.32,424.99) -223.22,431.1 ; -216.48,419.42 arc(-220.32,424.99) -223.22,431.1 ; -216.48,419.42 arc(-220.32,424.99) -223.22,431.1 ; -216.48,419.42 arc(-220.32,424.99) -223.22,431.1 ; -216.48,419.42 arc(-220.32,424.99) -223.22,431.1 ; -164.92,504.52 -168.96,485.35 ; -164.92,504.52 -168.96,485.35 ; -164.92,504.52 -168.96,485.35 ; -164.92,504.52 -168.96,485.35 ; -164.92,504.52 -168.96,485.35 ; -164.92,504.52 -168.96,485.35 ; -164.92,504.52 -168.96,485.35 ; -164.92,504.52 -168.96,485.35 ; -164.92,504.52 -168.96,485.35 ; -168.96,485.35 -165.08,504.05 ; -168.96,485.35 -165.08,504.05 ; -168.96,485.35 -165.08,504.05 ; -210.67,416.31 -224.74,400.72 ; -210.67,416.31 -225.07,400.34 ; -210.67,416.31 -224.74,400.72 ; -210.67,416.31 -225.07,400.34 ; -210.67,416.31 -225.07,400.34 ; -210.67,416.31 -225.07,400.34 ; -210.67,416.31 -225.07,400.34 ; -210.67,416.31 -225.07,400.34 ; -210.67,416.31 -224.74,400.72 ; -210.67,416.31 -225.07,400.34 ; -210.67,416.31 -225.07,400.34 ; -210.67,416.31 -225.07,400.34 ; -210.67,416.31 arc(-208.24,414.29) -203.89,411.38 ; -210.67,416.31 arc(-208.24,414.29) -203.89,411.38 ; -210.67,416.31 arc(-208.24,414.29) -203.89,411.38 ; -210.67,416.31 arc(-208.24,414.29) -203.89,411.38 ; -210.67,416.31 arc(-208.24,414.29) -203.89,411.38 ; -210.67,416.31 arc(-208.24,414.29) -203.89,411.38 ; -210.67,416.31 arc(-208.24,414.29) -203.89,411.38 ; -210.67,416.31 arc(-208.24,414.29) -203.89,411.38 ; -210.67,416.31 arc(-208.24,414.29) -203.89,411.38 ; -210.67,416.31 arc(-208.24,414.29) -203.89,411.38 ; -210.67,416.31 arc(-208.24,414.29) -203.89,411.38 ; -210.67,416.31 arc(-208.24,414.29) -203.89,411.38 ; -224.74,400.72 arc(-214.39,393.19) -202.7,388 ; -224.74,400.72 arc(-214.39,393.19) -202.7,388 ; -224.74,400.72 arc(-214.39,393.19) -202.7,388 ; -171.55,407.97 -164.92,387.52 ; -171.55,407.97 -164.92,387.52 ; -171.55,407.97 -165.08,388 ; -171.55,407.97 -164.92,387.52 ; -171.55,407.97 -164.92,387.52 ; -171.55,407.97 -164.92,387.52 ; -171.55,407.97 -165.08,388 ; -171.55,407.97 -164.92,387.52 ; -171.55,407.97 -164.92,387.52 ; -171.55,407.97 -165.08,388 ; -171.55,407.97 -164.92,387.52 ; -171.55,407.97 -164.92,387.52 ; -171.55,407.97 arc(-168.58,409.07) -163.89,411.38 ; -171.55,407.97 arc(-168.58,409.07) -163.89,411.38 ; -171.55,407.97 arc(-168.58,409.07) -163.89,411.38 ; -171.55,407.97 arc(-168.58,409.07) -163.89,411.38 ; -171.55,407.97 arc(-168.58,409.07) -163.89,411.38 ; -171.55,407.97 arc(-168.58,409.07) -163.89,411.38 ; -171.55,407.97 arc(-168.58,409.07) -163.89,411.38 ; -171.55,407.97 arc(-168.58,409.07) -163.89,411.38 ; -171.55,407.97 arc(-168.58,409.07) -163.89,411.38 ; -171.55,407.97 arc(-168.58,409.07) -163.89,411.38 ; -171.55,407.97 arc(-168.58,409.07) -163.89,411.38 ; -171.55,407.97 arc(-168.58,409.07) -163.89,411.38 ; -164.92,387.52 arc(-153.14,392.76) -142.71,400.34 ; -164.92,387.52 arc(-153.14,392.76) -142.71,400.34 ; -164.92,387.52 arc(-153.14,392.76) -142.71,400.34 ; -164.92,387.52 arc(-153.14,392.76) -142.71,400.34 ; -164.92,387.52 arc(-153.14,392.76) -142.71,400.34 ; -164.92,387.52 arc(-153.14,392.76) -142.71,400.34 ; -164.92,387.52 arc(-153.14,392.76) -142.71,400.34 ; -164.92,387.52 arc(-153.14,392.76) -142.71,400.34 ; -164.92,387.52 arc(-153.14,392.76) -142.71,400.34 ; -131.27,423.18 -142.37,425.74 ; -131.27,423.18 -142.37,425.74 ; -131.27,423.18 -142.37,425.74 ; -131.27,423.18 -142.37,425.74 ; -131.27,423.18 -142.37,425.74 ; -131.27,423.18 -142.37,425.74 ; -131.27,423.18 -142.37,425.74 ; -131.27,423.18 -142.37,425.74 ; -131.27,423.18 -142.37,425.74 ; -131.27,423.18 arc(-134.21,417.34) -137.8,411.87 ; -131.27,423.18 arc(-134.21,417.34) -137.8,411.87 ; -131.27,423.18 arc(-134.21,417.34) -137.8,411.87 ; -131.27,423.18 arc(-134.21,417.34) -137.8,411.87 ; -131.27,423.18 arc(-134.21,417.34) -137.8,411.87 ; -131.27,423.18 arc(-134.21,417.34) -137.8,411.87 ; -131.27,423.18 arc(-134.21,417.34) -137.8,411.87 ; -131.27,423.18 arc(-134.21,417.34) -137.8,411.87 ; -131.27,423.18 arc(-134.21,417.34) -137.8,411.87 ; -142.37,425.74 -131.73,423.38 ; -142.37,425.74 -131.73,423.38 ; -142.37,425.74 -131.73,423.38 ; -229.75,476.92 arc(-227.76,479.68) -231.78,473.67 ; -229.75,476.92 arc(-227.76,479.68) -231.78,473.67 ; -229.75,476.92 arc(-227.76,479.68) -231.78,473.67 ; -229.75,476.92 arc(-227.76,479.68) -231.78,473.67 ; -229.75,476.92 arc(-227.76,479.68) -231.78,473.67 ; -229.75,476.92 arc(-227.76,479.68) -231.78,473.67 ; -229.75,476.92 